# KiCad board magnum-drum-synth.kicad_pcb
title: Magnum Percussion Instrument; date: 2022-06-07; rev: r03; note: creativecommons.org/licenses/by/4.0/; note: License: CC BY 4.0; note: Author: Guy John
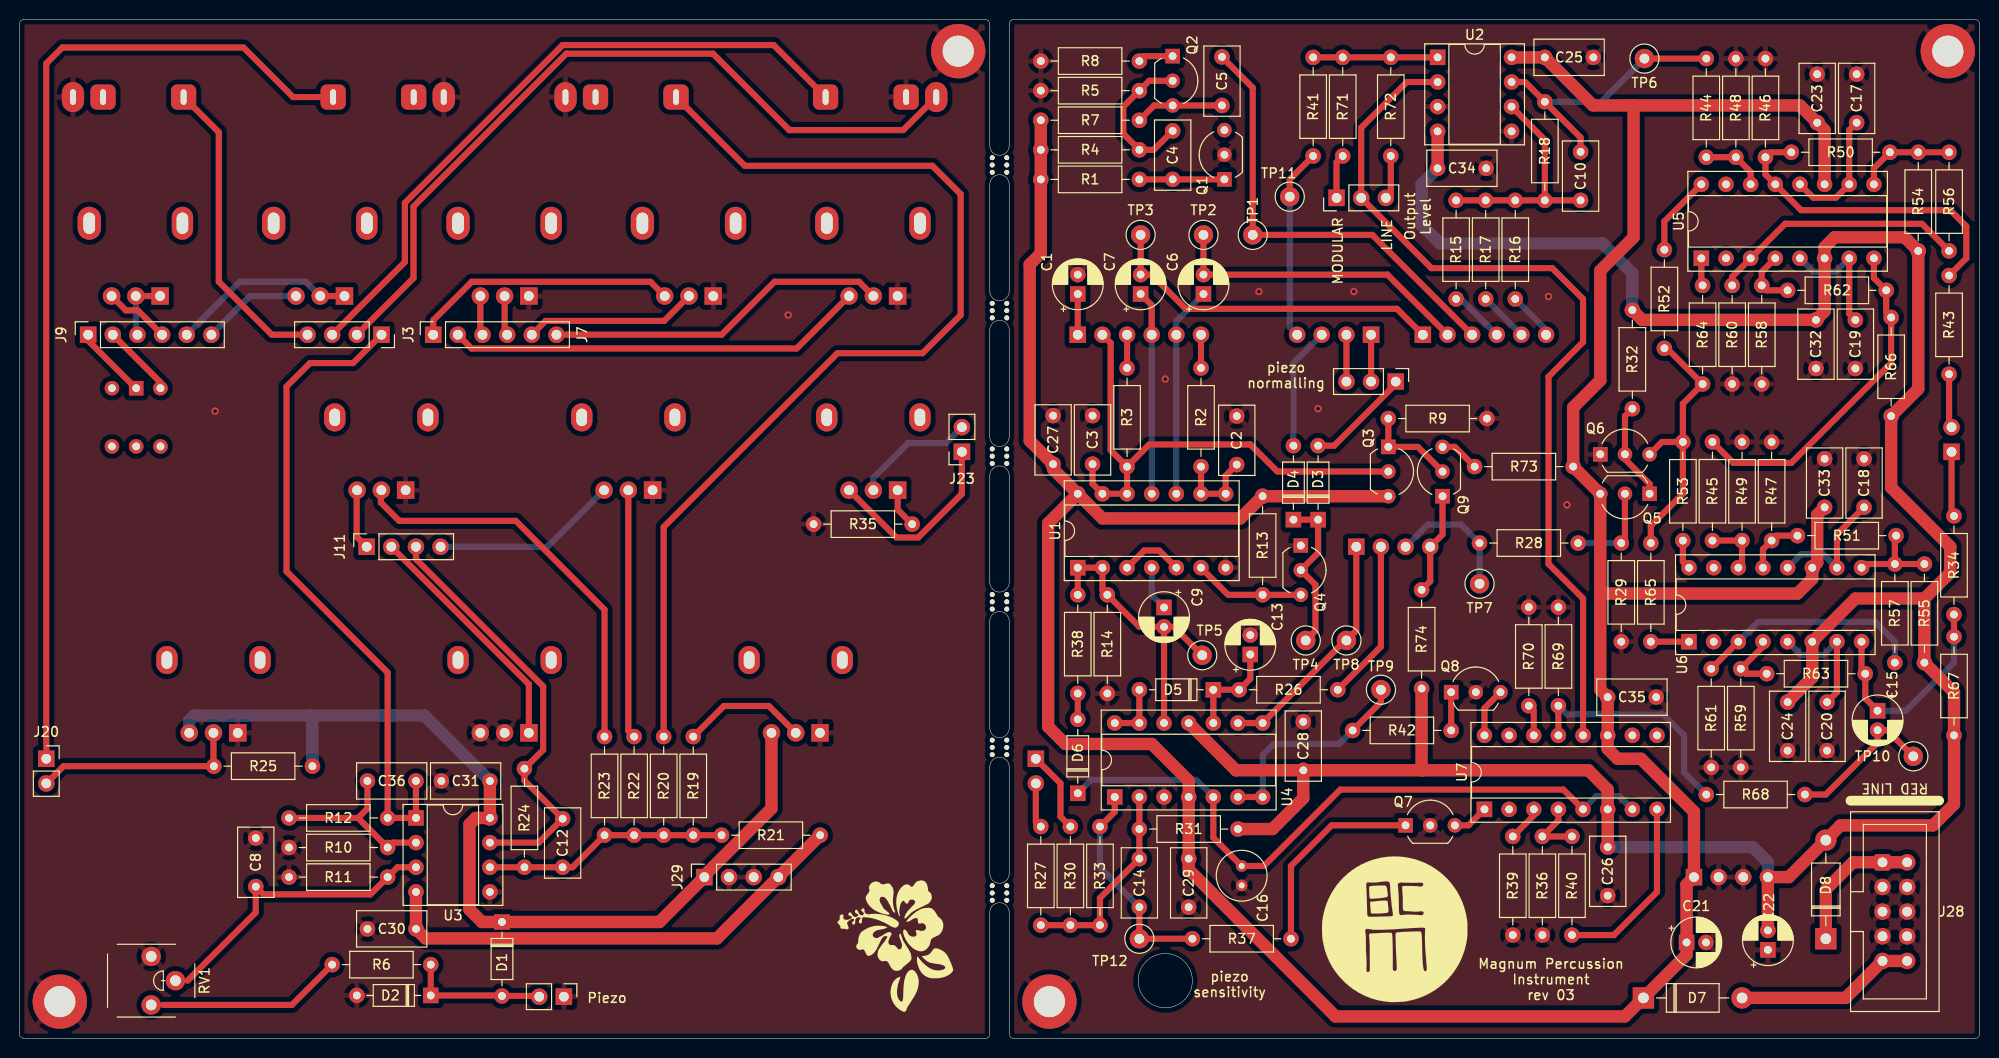
[diagram p0: board, top side]
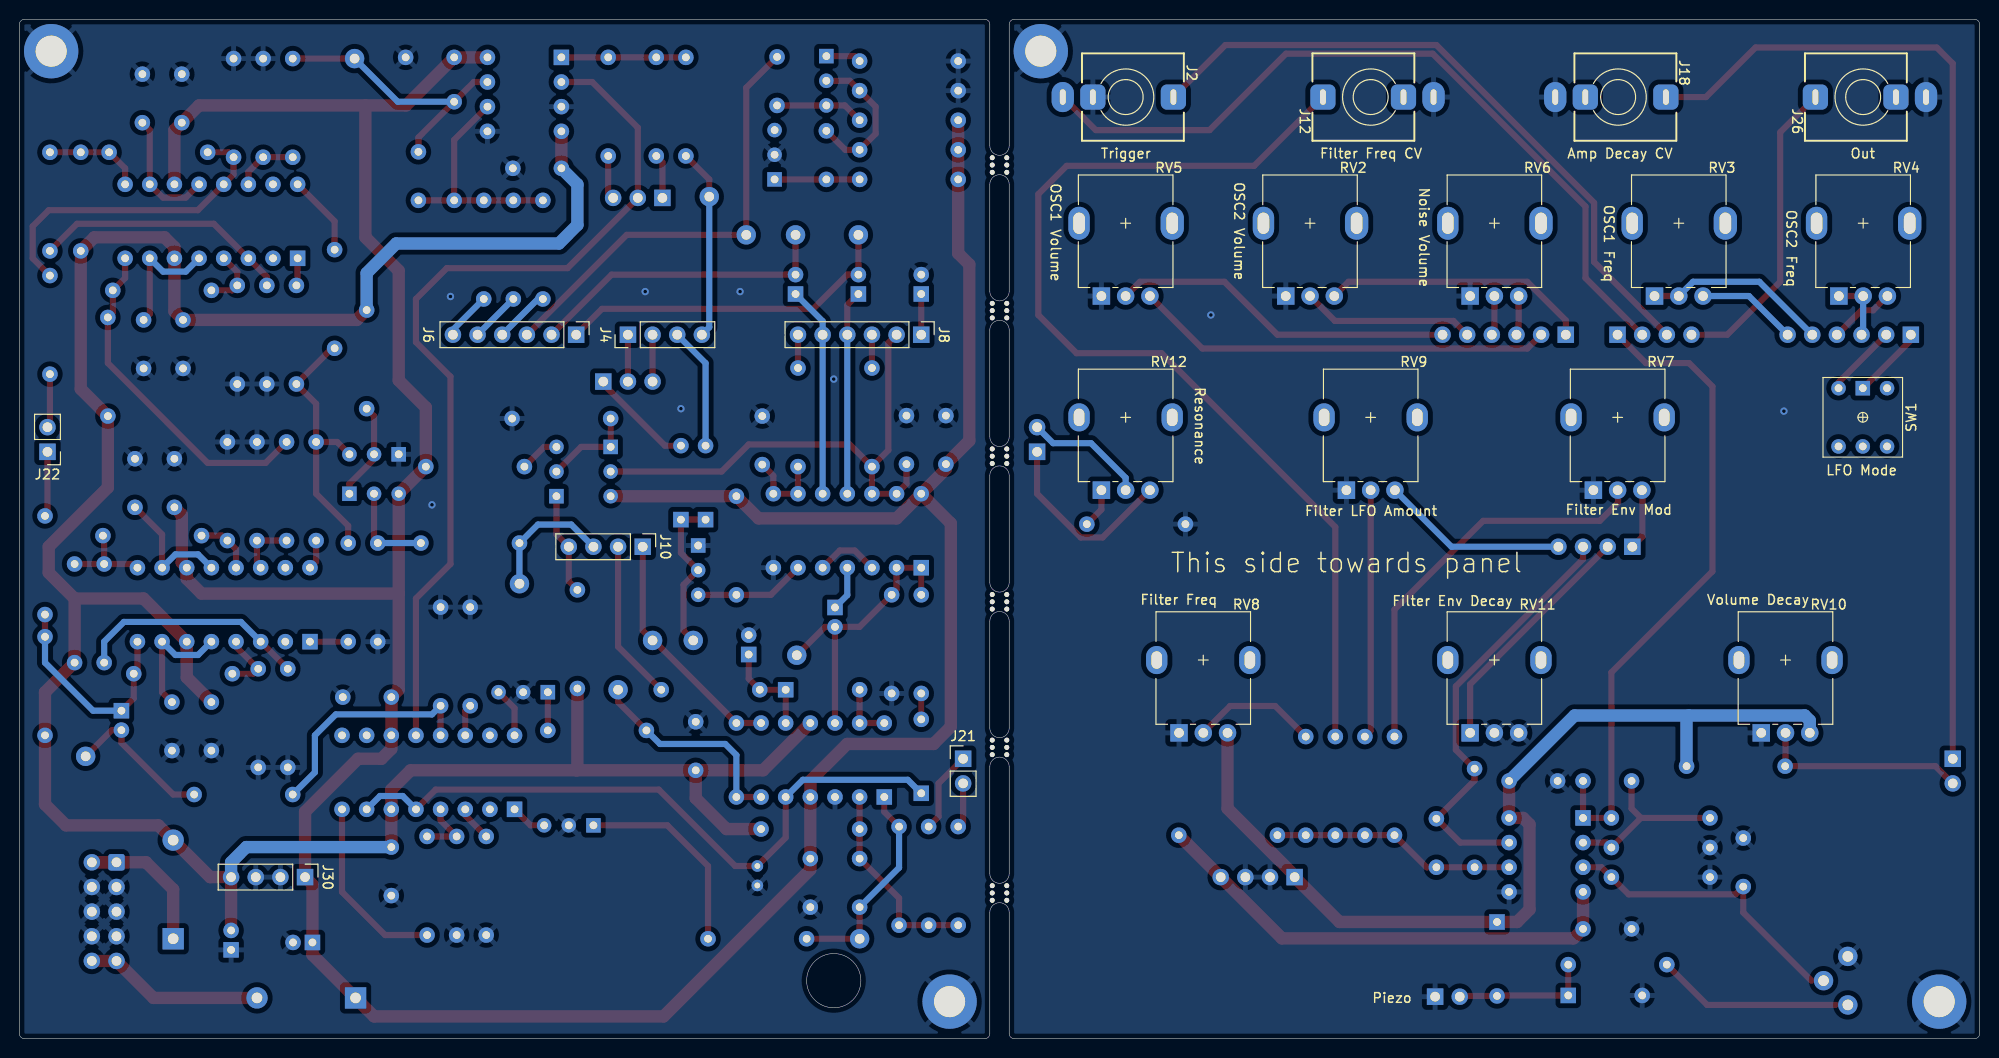
[diagram p1: board, bottom side, seen from below]

Outline 202 x 105 mm; copper layers: Top, Bottom. Coordinates in mm from the lower left corner of the outline.
Outline path: circle c118.08,5.97 r2.79 ; 100,92 100,104.5 arc(99.85,104.85) 99.5,105 0.5,105 arc(0.15,104.85) 0,104.5 0,0.5 arc(0.15,0.15) 0.5,0 99.5,0 arc(99.85,0.15) 100,0.5 100,13 ; 100,88 100,77 ; 100,73 100,62 ; 100,58 100,47 ; 100,43 100,32 ; 100,28 100,17 ; 102,92 102,104.5 arc(102.15,104.85) 102.5,105 201.5,105 arc(201.85,104.85) 202,104.5 202,0.5 arc(201.85,0.15) 201.5,0 102.5,0 arc(102.15,0.15) 102,0.5 102,13 ; 102,88 102,77 ; 102,73 102,62 ; 102,58 102,47 ; 102,43 102,32 ; 102,28 102,17

## Placement (name value [footprint] x y rotation side)
C1  1uF  [CP_Radial_D5.0mm_P2.00mm]  109.06 76.71 90 top
C2  47nF  [C_Rect_L7.0mm_W3.5mm_P5.00mm]  125.45 64.13 270 top
C3  47nF  [C_Rect_L7.0mm_W3.5mm_P5.00mm]  110.59 59.18 90 top
C4  47nF  [C_Rect_L7.0mm_W3.5mm_P5.00mm]  118.84 88.52 90 top
C5  100nF  [C_Rect_L7.0mm_W3.5mm_P5.00mm]  123.92 96.14 90 top
C6  1uF  [CP_Radial_D5.0mm_P2.00mm]  122.02 76.71 90 top
C7  1uF  [CP_Radial_D5.0mm_P2.00mm]  115.54 76.71 90 top
C8  220nF  [C_Rect_L7.0mm_W3.5mm_P5.00mm]  24.36 20.66 270 top
C9  1uF  [CP_Radial_D5.0mm_P2.00mm]  117.96 44.42 270 top
C10  22pF  [C_Rect_L7.0mm_W3.5mm_P5.00mm]  160.88 86.36 90 top
C12  10nF  [C_Rect_L7.0mm_W3.5mm_P5.00mm]  55.98 17.65 90 top
C13  10uF  [CP_Radial_D5.0mm_P2.00mm]  126.84 39.57 90 top
C14  22pF  [C_Rect_L7.0mm_W3.5mm_P5.00mm]  115.41 18.54 270 top
C15  10uF  [CP_Radial_D5.0mm_P2.00mm]  191.49 33.78 270 top
C16  1uF  [C_Radial_D5.0mm_H5.0mm_P2.00mm]  125.96 17.78 270 top
C17  100pF  [C_Rect_L7.0mm_W3.5mm_P5.00mm]  189.33 99.36 270 top
C18  100pF  [C_Rect_L7.0mm_W3.5mm_P5.00mm]  190.09 59.74 270 top
C19  100pF  [C_Rect_L7.0mm_W3.5mm_P5.00mm]  189.2 69.04 90 top
C20  100pF  [C_Rect_L7.0mm_W3.5mm_P5.00mm]  186.28 29.67 90 top
C21  1uF  [CP_Radial_D5.0mm_P2.00mm]  171.8 9.91 0 top
C22  1uF  [CP_Radial_D5.0mm_P2.00mm]  180.19 9.14 90 top
C23  100nF  [C_Rect_L7.0mm_W3.5mm_P5.00mm]  185.26 94.36 90 top
C24  100nF  [C_Rect_L7.0mm_W3.5mm_P5.00mm]  182.22 29.67 90 top
C25  100nF  [C_Rect_L7.0mm_W3.5mm_P5.00mm]  157.2 101.09 0 top
C26  100nF  [C_Rect_L7.0mm_W3.5mm_P5.00mm]  163.68 14.73 90 top
C27  100nF  [C_Rect_L7.0mm_W3.5mm_P5.00mm]  106.53 59.18 90 top
C28  100nF  [C_Rect_L7.0mm_W3.5mm_P5.00mm]  132.31 32.64 270 top
C29  100nF  [C_Rect_L7.0mm_W3.5mm_P5.00mm]  120.5 18.54 270 top
C30  100nF  [C_Rect_L7.0mm_W3.5mm_P5.00mm]  35.87 11.3 0 top
C31  100nF  [C_Rect_L7.0mm_W3.5mm_P5.00mm]  48.49 26.54 180 top
C32  100nF  [C_Rect_L7.0mm_W3.5mm_P5.00mm]  185.14 69.04 90 top
C33  100nF  [C_Rect_L7.0mm_W3.5mm_P5.00mm]  186.03 54.74 90 top
C34  100nF  [C_Rect_L7.0mm_W3.5mm_P5.00mm]  151.15 89.66 180 top
C35  100nF  [C_Rect_L7.0mm_W3.5mm_P5.00mm]  163.68 35.18 0 top
C36  22pF  [C_Rect_L7.0mm_W3.5mm_P5.00mm]  35.87 26.54 0 top
D1  1N4148  [D_DO-35_SOD27_P7.62mm_Horizontal]  49.73 12.01 270 top
D2  1N4148  [D_DO-35_SOD27_P7.62mm_Horizontal]  42.39 4.44 180 top
D3  1N4148  [D_DO-35_SOD27_P7.62mm_Horizontal]  133.83 53.47 90 top
D4  1N4148  [D_DO-35_SOD27_P7.62mm_Horizontal]  131.29 53.47 90 top
D5  1N4148  [D_DO-35_SOD27_P7.62mm_Horizontal]  123.03 35.94 180 top
D6  1N4148  [D_DO-35_SOD27_P7.62mm_Horizontal]  109.06 25.27 90 top
D7  1N5818  [D_DO-41_SOD81_P10.16mm_Horizontal]  167.36 4.19 0 top
D8  1N5818  [D_DO-41_SOD81_P10.16mm_Horizontal]  186.15 10.29 90 top
H1  MouseBite  [mouse-bite-2mm-slot]  101 30 90 top
H2  MouseBite  [mouse-bite-2mm-slot]  101 90 90 top
H3  MouseBite  [mouse-bite-2mm-slot]  101 60 90 top
H4  MouseBite  [mouse-bite-2mm-slot]  101 75 90 top
H5  MouseBite  [mouse-bite-2mm-slot]  101 15 90 top
H6  MouseBite  [mouse-bite-2mm-slot]  101 45 90 top
H7  MountingHole_Pad  [MountingHole_3.2mm_M3_DIN965_Pad]  198.73 101.73 0 top
H8  MountingHole_Pad  [MountingHole_3.2mm_M3_DIN965_Pad]  106.14 3.81 0 top
H9  MountingHole_Pad  [MountingHole_3.2mm_M3_DIN965_Pad]  4.16 3.81 0 top
H10  MountingHole_Pad  [MountingHole_3.2mm_M3_DIN965_Pad]  96.75 101.73 0 top
J1  Piezo  [PinHeader_1x02_P2.54mm_Vertical]  56.11 4.32 270 top
J2  Eurorack Mono Jack  [Jack_3.5mm_QingPu_WQP-PJ398SM_Vertical]  88 97 270 bottom
J3  Conn_01x04_Socket  [PinSocket_1x04_P2.54mm_Vertical]  37.31 72.52 270 top
J4  Conn_01x04_Header  [PinHeader_1x04_P2.54mm_Vertical]  139.29 72.52 90 bottom
J5  Conn_01x03_Header  [PinHeader_1x03_P2.54mm_Vertical]  141.83 67.69 270 top
J6  Conn_01x06_Header  [PinHeader_1x06_P2.54mm_Vertical]  144.62 72.52 270 bottom
J7  Conn_01x06_Socket  [PinSocket_1x06_P2.54mm_Vertical]  42.64 72.52 90 top
J8  Conn_01x06_Header  [PinHeader_1x06_P2.54mm_Vertical]  109.06 72.52 270 bottom
J9  Conn_01x06_Socket  [PinSocket_1x06_P2.54mm_Vertical]  7.08 72.52 90 top
J10  Conn_01x04_Header  [PinHeader_1x04_P2.54mm_Vertical]  137.77 50.67 270 bottom
J11  Conn_01x04_Socket  [PinSocket_1x04_P2.54mm_Vertical]  35.79 50.67 90 top
J12  Eurorack Mono Jack  [Jack_3.5mm_QingPu_WQP-PJ398SM_Vertical]  62.75 97 90 bottom
J18  Eurorack Mono Jack  [Jack_3.5mm_QingPu_WQP-PJ398SM_Vertical]  37.25 97 270 bottom
J20  Conn_01x02_Socket  [PinSocket_1x02_P2.54mm_Vertical]  2.77 28.83 0 top
J21  Conn_01x02_Header  [PinHeader_1x02_P2.54mm_Vertical]  104.75 28.83 180 bottom
J22  Conn_01x02_Header  [PinHeader_1x02_P2.54mm_Vertical]  199.11 60.45 0 bottom
J23  Conn_01x02_Socket  [PinSocket_1x02_P2.54mm_Vertical]  97.13 60.45 180 top
J26  Eurorack Mono Jack  [Jack_3.5mm_QingPu_WQP-PJ398SM_Vertical]  12 97 90 bottom
J27  Conn_01x03_Header  [PinHeader_1x03_P2.54mm_Vertical]  135.74 86.61 90 top
J28  Eurorack Power Small  [Eurorack_PowerHeader_2x05_P2.54mm_Shrouded]  192 18.16 0 top
J29  Conn_01x04_Socket  [PinSocket_1x04_P2.54mm_Vertical]  70.58 16.64 90 top
J30  Conn_01x04_Header  [PinHeader_1x04_P2.54mm_Vertical]  172.56 16.64 270 bottom
Q1  2N3904  [TO-92_Inline_Wide]  124.18 88.52 90 top
Q2  2N3904  [TO-92_Inline_Wide]  118.84 101.22 270 top
Q3  2N3904  [TO-92_Inline_Wide]  141.07 60.96 270 top
Q4  2N3904  [TO-92_Inline_Wide]  132.05 50.8 270 top
Q5  2N3904  [TO-92_Inline_Wide]  167.99 56.13 180 top
Q6  2N3906  [TO-92_Inline_Wide]  162.91 60.2 0 top
Q7  2N3906  [TO-92_Inline_Wide]  142.85 21.97 0 top
Q8  2N3906  [TO-92_Inline_Wide]  147.55 35.69 0 top
Q9  2N3906  [TO-92_Inline_Wide]  146.66 55.88 90 top
R1  100k  [R_Axial_DIN0207_L6.3mm_D2.5mm_P10.16mm_Horizontal]  105.25 88.52 0 top
R2  22k  [R_Axial_DIN0207_L6.3mm_D2.5mm_P10.16mm_Horizontal]  121.76 58.93 90 top
R3  22k  [R_Axial_DIN0207_L6.3mm_D2.5mm_P10.16mm_Horizontal]  114.15 58.93 90 top
R4  1m  [R_Axial_DIN0207_L6.3mm_D2.5mm_P10.16mm_Horizontal]  105.25 91.57 0 top
R5  100k  [R_Axial_DIN0207_L6.3mm_D2.5mm_P10.16mm_Horizontal]  115.41 97.66 180 top
R6  1k  [R_Axial_DIN0207_L6.3mm_D2.5mm_P10.16mm_Horizontal]  42.39 7.62 180 top
R7  10k  [R_Axial_DIN0207_L6.3mm_D2.5mm_P10.16mm_Horizontal]  105.25 94.61 0 top
R8  22r  [R_Axial_DIN0207_L6.3mm_D2.5mm_P10.16mm_Horizontal]  115.41 100.71 180 top
R9  10k  [R_Axial_DIN0207_L6.3mm_D2.5mm_P10.16mm_Horizontal]  141.07 63.88 0 top
R10  10k  [R_Axial_DIN0207_L6.3mm_D2.5mm_P10.16mm_Horizontal]  27.78 19.68 0 top
R11  1m  [R_Axial_DIN0207_L6.3mm_D2.5mm_P10.16mm_Horizontal]  37.94 16.64 180 top
R12  220k  [R_Axial_DIN0207_L6.3mm_D2.5mm_P10.16mm_Horizontal]  37.94 22.73 180 top
R13  10k  [R_Axial_DIN0207_L6.3mm_D2.5mm_P10.16mm_Horizontal]  128.12 55.88 270 top
R14  150k  [R_Axial_DIN0207_L6.3mm_D2.5mm_P10.16mm_Horizontal]  112.11 45.72 270 top
R15  22k  [R_Axial_DIN0207_L6.3mm_D2.5mm_P10.16mm_Horizontal]  148.05 76.2 90 top
R16  100k  [R_Axial_DIN0207_L6.3mm_D2.5mm_P10.16mm_Horizontal]  154.15 76.2 90 top
R17  100k  [R_Axial_DIN0207_L6.3mm_D2.5mm_P10.16mm_Horizontal]  151.1 76.2 90 top
R18  100k  [R_Axial_DIN0207_L6.3mm_D2.5mm_P10.16mm_Horizontal]  157.2 86.36 90 top
R19  100k  [R_Axial_DIN0207_L6.3mm_D2.5mm_P10.16mm_Horizontal]  69.44 31.11 270 top
R20  100k  [R_Axial_DIN0207_L6.3mm_D2.5mm_P10.16mm_Horizontal]  66.39 31.11 270 top
R21  220k  [R_Axial_DIN0207_L6.3mm_D2.5mm_P10.16mm_Horizontal]  82.52 20.95 180 top
R22  100k  [R_Axial_DIN0207_L6.3mm_D2.5mm_P10.16mm_Horizontal]  63.34 31.11 270 top
R23  47k  [R_Axial_DIN0207_L6.3mm_D2.5mm_P10.16mm_Horizontal]  60.3 31.11 270 top
R24  2k  [R_Axial_DIN0207_L6.3mm_D2.5mm_P10.16mm_Horizontal]  52.04 17.65 90 top
R25  22k  [R_Axial_DIN0207_L6.3mm_D2.5mm_P10.16mm_Horizontal]  20.04 28.07 0 top
R26  1k  [R_Axial_DIN0207_L6.3mm_D2.5mm_P10.16mm_Horizontal]  125.7 35.94 0 top
R27  120k  [R_Axial_DIN0207_L6.3mm_D2.5mm_P10.16mm_Horizontal]  105.25 11.68 90 top
R28  47r  [R_Axial_DIN0207_L6.3mm_D2.5mm_P10.16mm_Horizontal]  150.47 51.05 0 top
R29  470r  [R_Axial_DIN0207_L6.3mm_D2.5mm_P10.16mm_Horizontal]  165.07 51.05 270 top
R30  100k  [R_Axial_DIN0207_L6.3mm_D2.5mm_P10.16mm_Horizontal]  108.3 21.84 270 top
R31  100k  [R_Axial_DIN0207_L6.3mm_D2.5mm_P10.16mm_Horizontal]  125.57 21.59 180 top
R32  100k  [R_Axial_DIN0207_L6.3mm_D2.5mm_P10.16mm_Horizontal]  166.22 75.06 270 top
R33  27k  [R_Axial_DIN0207_L6.3mm_D2.5mm_P10.16mm_Horizontal]  111.35 11.68 90 top
R34  10k  [R_Axial_DIN0207_L6.3mm_D2.5mm_P10.16mm_Horizontal]  199.36 43.69 90 top
R35  47k  [R_Axial_DIN0207_L6.3mm_D2.5mm_P10.16mm_Horizontal]  92 53 180 top
R36  470r  [R_Axial_DIN0207_L6.3mm_D2.5mm_P10.16mm_Horizontal]  156.94 10.67 90 top
R37  4k3  [R_Axial_DIN0207_L6.3mm_D2.5mm_P10.16mm_Horizontal]  120.88 10.29 0 top
R38  470r  [R_Axial_DIN0207_L6.3mm_D2.5mm_P10.16mm_Horizontal]  109.06 45.72 270 top
R39  470r  [R_Axial_DIN0207_L6.3mm_D2.5mm_P10.16mm_Horizontal]  153.9 10.67 90 top
R40  100k  [R_Axial_DIN0207_L6.3mm_D2.5mm_P10.16mm_Horizontal]  159.99 20.83 270 top
R41  1k  [R_Axial_DIN0207_L6.3mm_D2.5mm_P10.16mm_Horizontal]  133.32 101.09 270 top
R42  33k  [R_Axial_DIN0207_L6.3mm_D2.5mm_P10.16mm_Horizontal]  137.39 31.75 0 top
R43  6k8  [R_Axial_DIN0207_L6.3mm_D2.5mm_P10.16mm_Horizontal]  198.85 68.45 90 top
R44  100k  [R_Axial_DIN0207_L6.3mm_D2.5mm_P10.16mm_Horizontal]  173.84 100.96 270 top
R45  100k  [R_Axial_DIN0207_L6.3mm_D2.5mm_P10.16mm_Horizontal]  174.47 61.47 270 top
R46  220r  [R_Axial_DIN0207_L6.3mm_D2.5mm_P10.16mm_Horizontal]  179.93 90.8 90 top
R47  220r  [R_Axial_DIN0207_L6.3mm_D2.5mm_P10.16mm_Horizontal]  180.57 51.31 90 top
R48  220r  [R_Axial_DIN0207_L6.3mm_D2.5mm_P10.16mm_Horizontal]  176.88 90.8 90 top
R49  220r  [R_Axial_DIN0207_L6.3mm_D2.5mm_P10.16mm_Horizontal]  177.52 51.31 90 top
R50  100k  [R_Axial_DIN0207_L6.3mm_D2.5mm_P10.16mm_Horizontal]  182.6 91.31 0 top
R51  100k  [R_Axial_DIN0207_L6.3mm_D2.5mm_P10.16mm_Horizontal]  183.23 51.81 0 top
R52  22k  [R_Axial_DIN0207_L6.3mm_D2.5mm_P10.16mm_Horizontal]  169.52 81.28 270 top
R53  22k  [R_Axial_DIN0207_L6.3mm_D2.5mm_P10.16mm_Horizontal]  171.42 51.31 90 top
R54  10k  [R_Axial_DIN0207_L6.3mm_D2.5mm_P10.16mm_Horizontal]  195.68 91.31 270 top
R55  10k  [R_Axial_DIN0207_L6.3mm_D2.5mm_P10.16mm_Horizontal]  196.31 48.89 270 top
R56  100k  [R_Axial_DIN0207_L6.3mm_D2.5mm_P10.16mm_Horizontal]  198.85 91.31 270 top
R57  100k  [R_Axial_DIN0207_L6.3mm_D2.5mm_P10.16mm_Horizontal]  193.27 48.89 270 top
R58  220r  [R_Axial_DIN0207_L6.3mm_D2.5mm_P10.16mm_Horizontal]  179.55 77.6 270 top
R59  220r  [R_Axial_DIN0207_L6.3mm_D2.5mm_P10.16mm_Horizontal]  177.39 38.1 270 top
R60  220r  [R_Axial_DIN0207_L6.3mm_D2.5mm_P10.16mm_Horizontal]  176.5 77.6 270 top
R61  220r  [R_Axial_DIN0207_L6.3mm_D2.5mm_P10.16mm_Horizontal]  174.34 38.1 270 top
R62  100k  [R_Axial_DIN0207_L6.3mm_D2.5mm_P10.16mm_Horizontal]  182.22 77.09 0 top
R63  100k  [R_Axial_DIN0207_L6.3mm_D2.5mm_P10.16mm_Horizontal]  180.06 37.59 0 top
R64  22k  [R_Axial_DIN0207_L6.3mm_D2.5mm_P10.16mm_Horizontal]  173.45 77.6 270 top
R65  22k  [R_Axial_DIN0207_L6.3mm_D2.5mm_P10.16mm_Horizontal]  168.12 40.89 90 top
R66  10k  [R_Axial_DIN0207_L6.3mm_D2.5mm_P10.16mm_Horizontal]  192.88 74.29 270 top
R67  10k  [R_Axial_DIN0207_L6.3mm_D2.5mm_P10.16mm_Horizontal]  199.36 41.4 270 top
R68  100k  [R_Axial_DIN0207_L6.3mm_D2.5mm_P10.16mm_Horizontal]  184 25.14 180 top
R69  220r  [R_Axial_DIN0207_L6.3mm_D2.5mm_P10.16mm_Horizontal]  158.59 34.29 90 top
R70  220r  [R_Axial_DIN0207_L6.3mm_D2.5mm_P10.16mm_Horizontal]  155.55 34.29 90 top
R71  33k  [R_Axial_DIN0207_L6.3mm_D2.5mm_P10.16mm_Horizontal]  136.37 90.93 90 top
R72  10k  [R_Axial_DIN0207_L6.3mm_D2.5mm_P10.16mm_Horizontal]  141.32 90.93 90 top
R73  22k  [R_Axial_DIN0207_L6.3mm_D2.5mm_P10.16mm_Horizontal]  160.12 58.93 180 top
R74  82k  [R_Axial_DIN0207_L6.3mm_D2.5mm_P10.16mm_Horizontal]  144.5 46.23 270 top
Ref**  Val**  [BCM_Logo_small_15mmx15mm]  141.7 11.3 0 top
REF**  -  [hibiscus]  90.27 9.52 0 top
RV1  100k  [Potentiometer_THT_Bourns_3306P_Vertical]  14.83 5.97 270 top
RV2  100kA  [Potentiometer_Song_Huei_R0904N_Single_Vertical]  69 84 180 bottom
RV3  1mA  [Potentiometer_Song_Huei_R0904N_Single_Vertical]  31 84 180 bottom
RV4  1mA  [Potentiometer_Song_Huei_R0904N_Single_Vertical]  12 84 180 bottom
RV5  100kA  [Potentiometer_Song_Huei_R0904N_Single_Vertical]  88 84 180 bottom
RV6  100kA  [Potentiometer_Song_Huei_R0904N_Single_Vertical]  50 84 180 bottom
RV7  100kB  [Potentiometer_Alpha_RD901F-40-00D_Single_Vertical]  37.3 64 180 bottom
RV8  100kB  [Potentiometer_Alpha_RD901F-40-00D_Single_Vertical]  80 39 180 bottom
RV9  100kB  [Potentiometer_Alpha_RD901F-40-00D_Single_Vertical]  62.75 64 180 bottom
RV10  100kB  [Potentiometer_Alpha_RD901F-40-00D_Single_Vertical]  20 39 180 bottom
RV11  100kB  [Potentiometer_Alpha_RD901F-40-00D_Single_Vertical]  50 39 180 bottom
RV12  50kB  [Potentiometer_Alpha_RD901F-40-00D_Single_Vertical]  88 64 180 bottom
SW1  DPDT  [SW_PUSH_2P2T_8mm_Apem_MHPS2285]  12.04 64.01 270 bottom
TP1  Noise TestPoint  [TestPoint_Loop_D2.50mm_Drill1.0mm_LowProfile]  127.1 82.8 90 top
TP2  OSC1 TestPoint  [TestPoint_Loop_D2.50mm_Drill1.0mm_LowProfile]  122.02 82.8 180 top
TP3  OSC2 TestPoint  [TestPoint_Loop_D2.50mm_Drill1.0mm_LowProfile]  115.54 82.8 180 top
TP4  Trigger TestPoint  [TestPoint_Loop_D2.50mm_Drill1.0mm_LowProfile]  132.56 41.02 0 top
TP5  Schmitt Trigger TestPoint  [TestPoint_Loop_D2.50mm_Drill1.0mm_LowProfile]  121.89 39.5 180 top
TP6  Mixer TestPoint  [TestPoint_Loop_D2.50mm_Drill1.0mm_LowProfile]  167.46 100.96 0 top
TP7  TestPoint  [TestPoint_Loop_D2.50mm_Drill1.0mm_LowProfile]  150.47 46.86 0 top
TP8  Filter Env TestPoint  [TestPoint_Loop_D2.50mm_Drill1.0mm_LowProfile]  136.75 41.02 0 top
TP9  TestPoint  [TestPoint_Loop_D2.50mm_Drill1.0mm_LowProfile]  140.31 35.94 0 top
TP10  Mixer TestPoint  [TestPoint_Loop_D2.50mm_Drill1.0mm_LowProfile]  195.17 29.08 0 top
TP11  Mixer TestPoint  [TestPoint_Loop_D2.50mm_Drill1.0mm_LowProfile]  130.91 86.74 0 top
TP12  Schmitt Trigger TestPoint  [TestPoint_Loop_D2.50mm_Drill1.0mm_LowProfile]  115.41 10.29 0 top
U1  CD4093  [DIP-14_W7.62mm_Socket]  109.06 48.51 90 top
U2  TL072  [DIP-8_W7.62mm_Socket]  146.15 101.09 0 top
U3  TL072  [DIP-8_W7.62mm_Socket]  40.87 22.73 0 top
U4  TL074  [DIP-14_W7.62mm_Socket]  112.88 24.89 90 top
U5  LM13700  [DIP-16_W7.62mm_Socket]  173.33 80.39 90 top
U6  LM13700  [DIP-16_W7.62mm_Socket]  172.06 40.89 90 top